# Altium PCB Неудачная разводка ddr.PcbDoc (part 3 of 3) (continued)
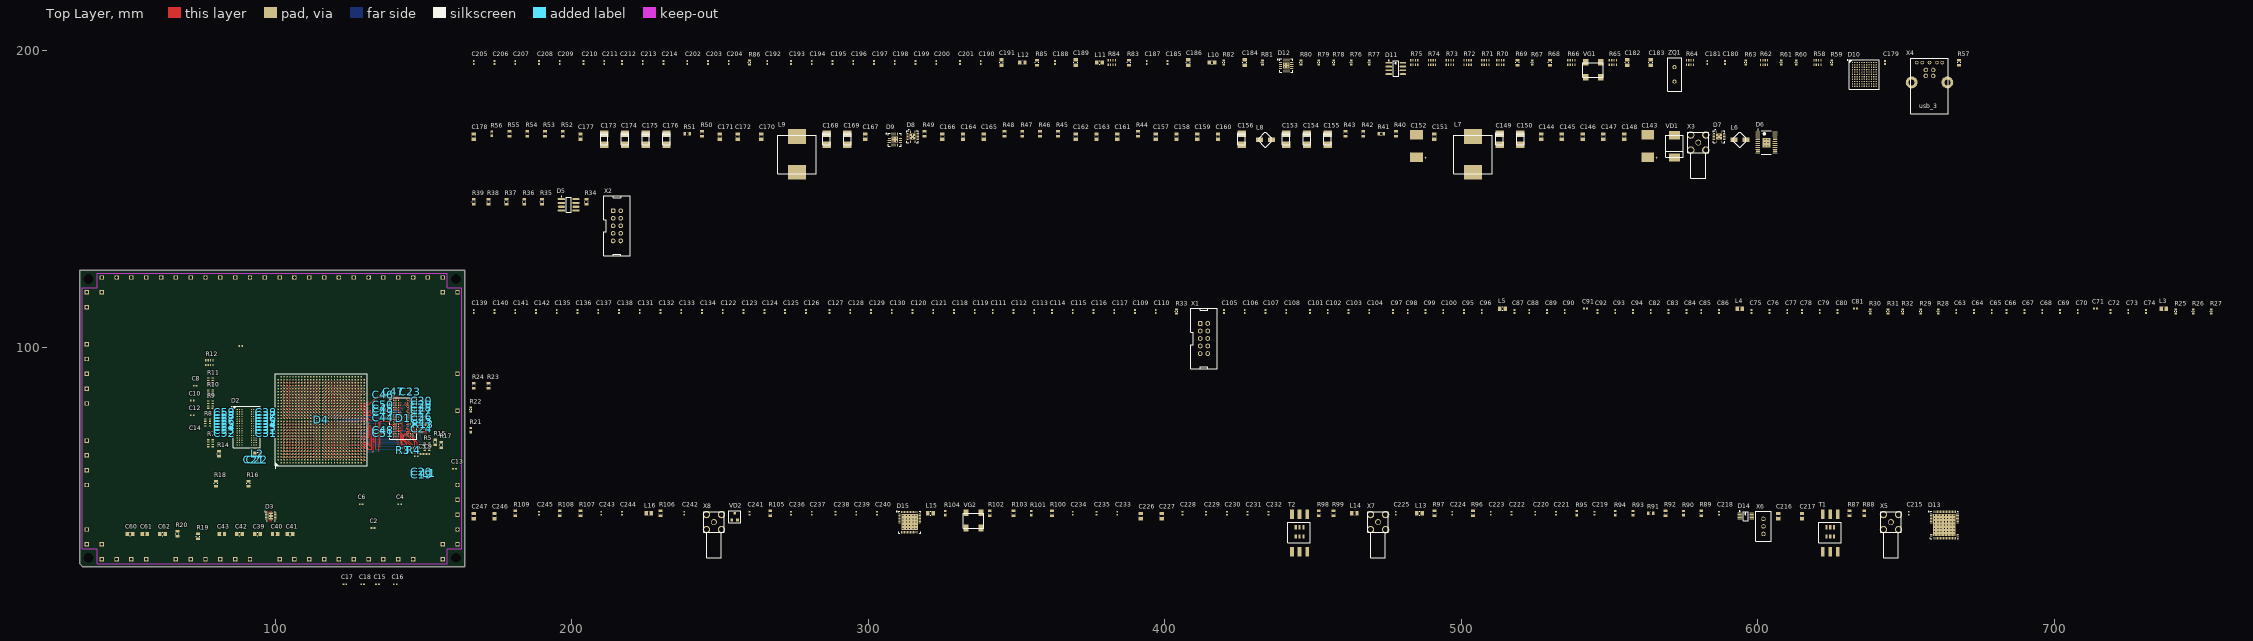
[diagram p0: Top Layer view]
## Nets (pads, with @x,y where several pads share a name; then routed paths per layer and width w, separated by ;. In a path a pad name is that pad's centre, name@x,y a point inside that pad or via, vN(x,y) a via of type N, cw(c..) or ccw(c..) an arc to the next point about the centre after c; other vN are vias at no path point) (continued)
  Top Layer w0.125: v1(108.5,77.5) D4.J17@109,77
DDR1_DQS0_P: D2.F3 D4.K17 | length 0.7
  Top Layer w0.125: v1(109.5,77.5) D4.K17@110,77
DDR1_DQS1_N: D2.B7 D4.L16 | length 0.7
  Top Layer w0.125: v1(110.5,76.5) D4.L16@111,76
DDR1_DQS1_P: D2.C7 D4.K16 | length 0.7
  Top Layer w0.125: v1(109.5,76.5) D4.K16@110,76
DDR1_ODT: D2.K1 D4.B13
DDR1_RAS: D2.J3 D4.B8
DDR1_RESET_N: D2.T2 D4.B22 R18.2
DDR1_WE: D2.L3 D4.C7 | length 0.7
  Top Layer w0.125: v1(102.5,66.5) D4.C7@103,67
FPGA_CONF_DONE: D4.L8 D10.D3 R31.2 | length 0.7
  Top Layer w0.125: v1(110.5,67.5) D4.L8@111,68
FPGA_DATA0: D4.AG5 D10.D5 | length 0.7
  Top Layer w0.125: D4.AG5@127,65 v1(127.5,64.5)
FPGA_DCLK: D4.T7 D10.D4 R32.2 | length 0.7
  Top Layer w0.125: D4.T7@116,67 v1(116.5,66.5)
FPGA_NCONFIG: D4.C5 D10.C1 R30.2 | length 0.7
  Top Layer w0.125: v1(102.5,64.5) D4.C5@103,65
FPGA_NSTATUS: D4.K7 D10.D2 | length 0.7
  Top Layer w0.125: v1(109.5,66.5) D4.K7@110,67
NetC1_2: C1.2 R1.1 R1.2
NetC2_2: C2.2 R1.3 R2.1
NetC21_2: C21.2 C22.2 D2.H1
NetC43_2: C43.2 D3.6
NetC60_2: C60.2 D3.1 R19.1 R20.2
NetC70_2: C70.2 C71.2 C72.2 C73.2 C74.2 D4.AB6 D4.AB23 D4.J8 D4.J24 D4.K6 D4.P6 D4.V6 D4.Y8 L3.1 | length 5.7
  Top Layer w0.125: v1(108.5,67.5) D4.J8@109,68 ; v1(108.5,84.5) D4.J24@109,84 ; v1(109.5,65.5) D4.K6@110,66 ; v1(113.5,65.5) D4.P6@114,66 ; D4.V6@118,66 v1(118.5,65.5) ; D4.Y8@120,68 v1(120.5,67.5) ; D4.AB6@122,66 v1(122.5,65.5) ; D4.AB23@122,83 v1(122.5,83.5)
NetC151_1: C151.1 D7.13
NetC151_2: C151.2 D7.11 D7.12 L7.1
NetC157_2: C157.2 R43.1
NetC158_2: C158.2 D6.22 R43.2
NetC161_2: C161.2 D7.9
NetC164_2: C164.2 R48.1
NetC165_2: C165.2 D6.3 R48.2
NetC166_2: C166.2 R46.2
NetC170_1: C170.1 D8.13
NetC170_2: C170.2 D8.11 D8.12 L9.1
NetC177_2: C177.2 D8.9
NetC178_2: C178.2 R55.2
NetC179_1: C179.1 D10.E11 R57.1
NetC180_2: C180.2 D10.A5
NetC181_2: C181.2 D10.A6
NetC182_2: C182.2 D10.C7 ZQ1.1
NetC183_2: C183.2 D10.C6 ZQ1.2
NetC187_2: C187.2 D10.C5 R82.1
NetC215_1: C215.1 X5.1
NetC215_2: C215.2 R89.2 T1.4
NetC216_1: C216.1 R91.1 R92.2
NetC216_2: C216.2 R87.1 R88.2
NetC217_1: C217.1 D13.38 R92.1
NetC217_2: C217.2 D13.37 R88.1
NetC219_1: C219.1 C223.1 D14.10 R94.2
NetC219_2: C219.2 D14.3 D14.4 R93.1 R94.1
NetC222_2: C222.2 D13.49
NetC224_2: C224.2 D13.50
NetC225_1: C225.1 X7.1
NetC225_2: C225.2 R100.2 T2.4
NetC226_1: C226.1 R102.1 R103.2
NetC226_2: C226.2 R98.1 R99.2
NetC227_1: C227.1 D13.43 R103.1
NetC227_2: C227.2 D13.44 R99.1
NetC236_2: C236.2 D15.12
NetC237_2: C237.2 C238.2 C239.2 C240.2 C241.2 D15.10 D15.21 D15.24 D15.25 D15.30 D15.31 D15.36 D15.37 D15.40 D15.43 D15.45 L15.1 L16.2
NetC242_1: C242.1 X8.1
NetC243_2: C243.2 C244.2 D15.3 L16.1
NetC245_2: C245.2 D15.9
NetC246_2: C246.2 R109.2
NetC247_2: C247.2 D15.4 D15.8 R109.1
NetD1_L8: D1.L8 R13.1 | length 3.7
  Top Layer w0.125: D1.L8@145.6,74 145.988,73.612 146.829,73.612 147.217,74 R13.1@149,74
NetD2_L8: D2.L8 R14.1
NetD4_AD23: D4.AD23 R22.1 | length 0.7
  Top Layer w0.125: D4.AD23@124,83 v1(124.5,83.5)
NetD4_AK13: D4.AK13 R24.1 | length 0.9
  Top Layer w0.125: D4.AK13@130,73 130,73.075 130.5,73.575 v1(130.5,73.5)
NetD4_B12: D4.B12 R23.1
NetD4_C1: D4.C1 R39.1
NetD4_M7: D4.M7 R29.1 | length 0.7
  Top Layer w0.125: v1(111.5,66.5) D4.M7@112,67
NetD4_P9: D4.P9 R28.1 | length 0.7
  Top Layer w0.125: v1(113.5,68.5) D4.P9@114,69
NetD5_6: D5.6 R36.1 R37.1 R38.2
NetD5_7: D5.7 R34.1 R35.1 R36.2
NetD6_2: D6.2 R47.1 R49.2
NetD6_8: D6.8 D6.9 L8.1
NetD6_16: D6.16 D6.17 L6.1
NetD6_23: D6.23 R40.1 R42.1
NetD7_1: D7.1 R45.1
NetD7_7: D7.7 R41.1 R44.2
NetD7_8: D7.8 R46.1
NetD8_1: D8.1 R53.1
NetD8_7: D8.7 R50.1 R52.2
NetD8_8: D8.8 R55.1
NetD9_5: D9.5 R56.1
NetD9_9: D9.9 R51.1 R54.2
NetD10_B2: D10.B2 R59.2
NetD10_B3: D10.B3 R69.1
NetD10_B4: D10.B4 R61.2
NetD10_C8: D10.C8 R68.1
NetD10_C9: D10.C9 R60.1
NetD10_E6: D10.E6 R63.2
NetD10_G4: D10.G4 R78.1
NetD10_H4: D10.H4 R79.1
NetD10_L4: D10.L4 R80.1
NetD10_L8: D10.L8 R81.1
NetD12_5: D12.5 R86.1
NetD12_9: D12.9 R83.1 R85.2
NetD13_40: D13.40 R90.2 R95.1
NetD13_42: D13.42 R97.1
NetD14_5: D14.5 X6.1
NetD14_6: D14.6 X6.3
NetD15_44: D15.44 R107.1
NetD15_46: D15.46 R108.1
NetR57_2: R57.2 X4.1
NetR67_2: R67.2 VG1.1
NetR87_2: R87.2 T1.3
NetR91_2: R91.2 T1.1
NetR98_2: R98.2 T2.3
NetR102_2: R102.2 T2.1
NetR104_2: R104.2 VG2.1
NetVD1_2: VD1.2 X3.1
PCLK: D10.J6 R72.8
PG1P1: D7.14 D8.10
SS_RX_N: D10.A3 X4.8
SS_RX_P: D10.A4 X4.9
SS_TX_N: C181.1 X4.5
SS_TX_P: C180.1 X4.6
TCK: D4.AC7 R26.2 R33.2 X1.1 | length 0.7
  Top Layer w0.125: D4.AC7@123,67 v1(123.5,66.5)
TDI: D4.U7 R27.1 X1.9 | length 0.7
  Top Layer w0.125: D4.U7@117,67 v1(117.5,66.5)
TDO: D4.W9 X1.3 | length 0.7
  Top Layer w0.125: D4.W9@119,69 v1(119.5,68.5)
TMS: D4.V7 R25.2 X1.5 | length 0.7
  Top Layer w0.125: D4.V7@118,67 v1(118.5,66.5)
TTL_RX: D5.1
TTL_TX: D5.4
TTL_TX_EN: D5.2 D5.3
U3RXVDDQ: C185.2 C186.2 D10.A2 L10.2
U3TXVDDQ: C188.2 C189.2 D10.B5 L11.2
USB_N: D10.A10 X4.2
USB_P: D10.A9 X4.3
V0P75D: C39.2 C40.2 C41.2 D3.3 D3.5 L1.1 L2.1
V1P1D: C63.2 C64.2 C65.2 C66.2 C67.2 C68.2 C69.2 C75.2 C76.2 C77.2 C78.2 C79.2 C80.2 C81.2 C87.2 C88.2 C89.2 C90.2 C91.2 C92.2 C93.2 C94.2 C153.1 C154.1 C155.1 C156.1 D4.AA5 D4.AC5 D4.AD6 D4.J5 D4.L5 D4.M6 D4.M13 D4.M15 D4.M17 D4.M19 D4.N5 D4.N14 D4.N16 D4.N18 D4.P13 D4.P15 D4.P17 D4.P19 D4.R5 D4.R14 D4.R16 D4.R18 D4.T6 D4.T13 D4.T15 D4.T17 D4.T19 D4.U5 D4.U14 D4.U16 D4.U18 D4.U20 D4.V13 D4.V15 D4.V17 D4.V19 D4.W5 D4.W14 D4.W16 D4.W18 D4.W20 D4.Y6 L7.2 R41.2 | length 29.7
  Top Layer w0.125: v1(108.5,64.5) D4.J5@109,65 ; v1(110.5,64.5) D4.L5@111,65 ; v1(111.5,65.5) D4.M6@112,66 ; v1(111.5,72.5) D4.M13@112,73 ; v1(111.5,74.5) D4.M15@112,75 ; v1(111.5,77.5) D4.M17@112,77 ; v1(111.5,79.5) D4.M19@112,79 ; v1(112.5,64.5) D4.N5@113,65 ; v1(112.5,73.5) D4.N14@113,74 ; v1(112.5,76.5) D4.N16@113,76 ; v1(112.5,78.5) D4.N18@113,78 ; v1(113.5,72.5) D4.P13@114,73 ; v1(113.5,74.5) D4.P15@114,75 ; v1(113.5,77.5) D4.P17@114,77 ; v1(113.5,79.5) D4.P19@114,79 ; v1(114.5,64.5) D4.R5@115,65 ; v1(114.5,73.5) D4.R14@115,74 ; v1(114.5,76.5) D4.R16@115,76 ; v1(114.5,78.5) D4.R18@115,78 ; D4.T6@116,66 v1(116.5,65.5) ; D4.T13@116,73 v1(116.5,72.5) ; D4.T15@116,75 v1(116.5,74.5) ; D4.T17@116,77 v1(116.5,77.5) ; D4.T19@116,79 v1(116.5,79.5) ; D4.U5@117,65 v1(117.5,64.5) ; D4.U14@117,74 v1(117.5,73.5) ; D4.U16@117,76 v1(117.5,76.5) ; D4.U18@117,78 v1(117.5,78.5) ; D4.U20@117,80 v1(117.5,80.5) ; D4.V13@118,73 v1(118.5,72.5) ; D4.V15@118,75 v1(118.5,74.5) ; D4.V17@118,77 v1(118.5,77.5) ; D4.V19@118,79 v1(118.5,79.5) ; D4.W5@119,65 v1(119.5,64.5) ; D4.W14@119,74 v1(119.5,73.5) ; D4.W16@119,76 v1(119.5,76.5) ; D4.W18@119,78 v1(119.5,78.5) ; D4.W20@119,80 v1(119.5,80.5) ; D4.Y6@120,66 v1(120.5,65.5) ; D4.AA5@121,65 v1(121.5,64.5) ; D4.AC5@123,65 v1(123.5,64.5) ; D4.AD6@124,66 v1(124.5,65.5)
V1P2D: C184.2 C192.2 C193.2 C194.2 C195.2 C196.2 C197.2 C198.2 C199.2 C200.2 C201.2 D10.B10 D10.C3 D10.E9 D10.F11 D10.H1 D10.J11 D10.L5 D10.L7 D12.10 D12.11 D12.12 D12.13 D12.14 L10.1 L11.1 L12.1 R83.2
V1P5D: C23.2 C24.2 C25.2 C26.2 C27.2 C28.2 C29.2 C30.2 C31.2 C32.2 C33.2 C34.2 C35.2 C36.2 C37.2 C38.2 C42.2 C44.2 C45.2 C46.2 C47.2 C48.2 C49.2 C50.2 C51.2 C52.2 C53.2 C54.2 C55.2 C56.2 C57.2 C58.2 C59.2 C61.2 C62.2 C111.2 C112.2 C113.2 C114.2 C115.2 C116.2 C117.2 C124.2 C125.2 C126.2 C127.2 C128.2 C129.2 C130.2 C135.2 C136.2 C137.2 C138.2 C171.2 C172.2 D1.A1 D1.A8 D1.B2 D1.C1 D1.C9 D1.D2 D1.D9 D1.E9 D1.F1 D1.G7 D1.H2 D1.H9 D1.K2 D1.K8 D1.N1 D1.N9 D1.R1 D1.R9 D2.A1 D2.A8 D2.B2 D2.C1 D2.C9 D2.D2 D2.D9 D2.E9 D2.F1 D2.G7 D2.H2 D2.H9 D2.K2 D2.K8 D2.N1 D2.N9 D2.R1 D2.R9 D3.2 D3.7 D3.10 D4.A7 D4.A22 D4.AA12 D4.AB15 D4.AC18 D4.AD21 D4.AE14 D4.AF17 D4.AG10 D4.AG20 D4.AH13 D4.AH23 D4.AJ16 D4.AJ26 D4.AK4 D4.AK9 D4.AK19 D4.B5 D4.B15 D4.B25 D4.C8 D4.C18 D4.D11 D4.D21 D4.E14 D4.E24 D4.F7 D4.F17 D4.G10 D4.G20 D4.H10 D4.H13 D4.H23 D4.J16 D4.K19 D4.L12 D4.Y19 D9.10 D9.11 D9.12 D9.13 D9.14 R17.1 R18.1 R19.2 R51.2 | length 44.5
  Top Layer w0.125: v1(102.5,67.5) D4.C8@103,68 ; v1(102.5,78.5) D4.C18@103,78 ; v1(103.5,70.5) D4.D11@104,71 ; v1(103.5,81.5) D4.D21@104,81 ; v1(104.5,73.5) D4.E14@105,74 ; v1(104.5,84.5) D4.E24@105,84 ; v1(105.5,66.5) D4.F7@106,67 ; v1(105.5,77.5) D4.F17@106,77 ; v1(106.5,69.5) D4.G10@107,70 ; v1(106.5,80.5) D4.G20@107,80 ; v1(107.5,69.5) D4.H10@108,70 ; v1(107.5,72.5) D4.H13@108,73 ; v1(107.5,83.5) D4.H23@108,83 ; v1(108.5,76.5) D4.J16@109,76 ; v1(109.5,79.5) D4.K19@110,79 ; v1(110.5,71.5) D4.L12@111,72 ; D4.Y19@120,79 v1(120.5,79.5) ; D4.AA12@121,72 v1(121.5,71.5) ; D4.AB15@122,75 v1(122.5,74.5) ; D4.AC18@123,78 v1(123.5,78.5) ; D4.AD21@124,81 v1(124.5,81.5) ; D4.AE14@125,74 v1(125.5,73.5) ; D4.AF17@126,77 v1(126.5,77.5) ; D4.AG10@127,70 v1(127.5,69.5) ; D4.AG20@127,80 v1(127.5,80.5) ; D4.AH13@128,73 v1(128.5,72.5) ; D4.AH23@128,83 v1(128.5,83.5) ; D4.AK4@130,64 v1(130.5,63.5) ; D4.AK9@130,69 v1(130.5,68.5) ; v1(139.25,70.75) 139.95,70.75 D1.R1@140,70.8
  Top Layer w0.2: v1(139.1,80.4) D1.C1@140,80.4
  Top Layer w0.3: D4.AJ16@129,76 v1(129.5,76.5) ; D4.AJ26@129,86 v1(129.5,86.5) ; D4.AK19@130,79 v1(131,79) ; C51.2@137,71 137.6,71 v1(137.8,70.8) ; C48.2@137,72 v1(138.1,72) ; C49.2@137,78 137.3,78 137.5,78.2 137.6,78.1 v1(137.6,78) ; C45.2@137,79.3 v1(137.5,79.3) ; C50.2@137,80.5 v1(137.5,80.5) ; v1(138.2,78.2) 138.4,78 D1.F1@140,78 ; v1@139.25,72.45 v1(139.3,72.5) 139.3,72.45 139.25,72.4 D1.N1@140,72.4 ; D1.A1@140,82 v1(140,82.8) ; v1(140,84) C47.2@140,84.5 ; v1(140.4,76.8) D1.H2@140.8,76.4 ; v1(140.4,80) D1.D2@140.8,79.6 ; v1(140.4,81.6) D1.B2@140.8,81.2 ; D1.K2@140.8,74.8 141.2,74.4 v1(141.222,74.4) ; D1.G7@144.8,77.2 145.172,76.828 v1(145.15,76.828) ; v1(145.5,84) C23.2@145.5,84.5 ; D1.K8@145.6,74.8 146,75.2 146,75.211 145.986,75.197 v1(145.986,75.164) ; D1.A8@145.6,82 v1(145.6,82.8) ; D1.R9@146.4,70.8 146.6,70.6 v1(147,70.6) ; D1.N9@146.4,72.4 v1(147,72.4) ; D1.H9@146.4,76.4 v1(147,76.4) ; D1.E9@146.4,78.8 v1(147,78.8) ; D1.D9@146.4,79.6 v1(147,79.6) ; D1.C9@146.4,80.4 v1(147,80.4) ; v1(148.5,72.5) C24.2@149,72.5 ; v1(148.5,75.5) C25.2@149,75.5 ; v1(148.5,76.5) C26.2@149,76.5 ; v1(148.5,78.5) C27.2@149,78.5 ; v1(148.5,79.5) C28.2@149,79.5 ; v1(148.5,80.5) C29.2@149,80.5 ; v1(148.5,82) C30.2@149,82
V1P8A: C230.2 C231.2 C232.2 D13.36 D13.45 D13.46 L13.1
V1P8D: C147.2 C148.2 C202.2 C203.2 C204.2 C205.2 C206.2 C207.2 C208.2 C234.2 C235.2 D9.1 D9.2 D9.3 D9.4 D9.15 D9.16 D10.B1 D10.E3 D10.F1 D10.H11 D10.L9 D12.1 D12.2 D12.3 D12.4 D12.15 D12.16 D13.1 D13.21 L5.2 L6.2 L13.2 L14.2 R40.2 R56.2 R78.2 R79.2 R82.2 R86.2
V1P8DVDD: C228.2 C229.2 D13.24 D13.57 L14.1
V2P5D: C97.2 C98.2 C99.2 C100.2 C101.2 C102.2 C103.2 C104.2 C105.2 C106.2 C107.2 C108.2 C122.2 C123.2 C131.2 C132.2 C133.2 C134.2 C139.2 C140.2 C141.2 C142.2 C162.2 C163.2 D4.AA22 D4.AB11 D4.AB25 D4.AC12 D4.AC17 D4.AC20 D4.AC28 D4.AD10 D4.AD15 D4.AE11 D4.AE21 D4.AE24 D4.AF27 D4.AG30 D4.C28 D4.D24 D4.F11 D4.F21 D4.F23 D4.F27 D4.G13 D4.G16 D4.G19 D4.G30 D4.J26 D4.K23 D4.K29 D4.L22 D4.M24 D4.M25 D4.N28 D4.P21 D4.P24 D4.R24 D4.T26 D4.T27 D4.U24 D4.U30 D4.W23 D4.W25 D4.W26 D4.Y29 L3.2 L4.2 L8.2 R47.2 | length 26.2
  Top Layer w0.125: v1(102.5,88.5) D4.C28@103,88 ; v1(103.5,84.5) D4.D24@104,84 ; v1(105.5,70.5) D4.F11@106,71 ; v1(105.5,81.5) D4.F21@106,81 ; v1(105.5,83.5) D4.F23@106,83 ; v1(105.5,87.5) D4.F27@106,87 ; v1(106.5,72.5) D4.G13@107,73 ; v1(106.5,76.5) D4.G16@107,76 ; v1(106.5,79.5) D4.G19@107,79 ; v1(108.5,86.5) D4.J26@109,86 ; v1(109.5,83.5) D4.K23@110,83 ; v1(110.5,82.5) D4.L22@111,82 ; v1(111.5,84.5) D4.M24@112,84 ; v1(111.5,85.5) D4.M25@112,85 ; v1(112.5,88.5) D4.N28@113,88 ; v1(113.5,81.5) D4.P21@114,81 ; v1(113.5,84.5) D4.P24@114,84 ; v1(114.5,84.5) D4.R24@115,84 ; D4.T26@116,86 v1(116.5,86.5) ; D4.T27@116,87 v1(116.5,87.5) ; D4.U24@117,84 v1(117.5,84.5) ; D4.W23@119,83 v1(119.5,83.5) ; D4.W25@119,85 v1(119.5,85.5) ; D4.W26@119,86 v1(119.5,86.5) ; D4.AA22@121,82 v1(121.5,82.5) ; D4.AB11@122,71 v1(122.5,70.5) ; D4.AB25@122,85 v1(122.5,85.5) ; D4.AC12@123,72 v1(123.5,71.5) ; D4.AC17@123,77 v1(123.5,77.5) ; D4.AC20@123,80 v1(123.5,80.5) ; D4.AC28@123,88 v1(123.5,88.5) ; D4.AD10@124,70 v1(124.5,69.5) ; D4.AD15@124,75 v1(124.5,74.5) ; D4.AE11@125,71 v1(125.5,70.5) ; D4.AE21@125,81 v1(125.5,81.5) ; D4.AE24@125,84 v1(125.5,84.5) ; D4.AF27@126,87 v1(126.5,87.5)
V3P3D: C145.2 C146.2 C159.2 C160.2 C173.1 C174.1 C175.1 C176.1 C209.2 C210.2 C211.2 C212.2 C213.2 C214.2 C223.2 D5.8 D6.4 D6.6 D6.7 D6.10 D6.11 D6.12 D6.18 D6.19 D6.20 D6.21 D10.B6 D10.C11 D10.E10 D11.8 D14.2 L9.2 L15.2 R34.2 R50.2 R63.1 R67.1 R76.2 R77.2 R93.2 R104.1 R105.2 VD2.2 VG1.4 VG2.4 X2.5 X2.7
VCC_AUX: C82.2 C83.2 C84.2 C85.2 C86.2 D4.AC10 D4.AC16 D4.AD22 D4.G11 D4.H16 D4.H22 L4.1 | length 4.2
  Top Layer w0.125: v1(106.5,70.5) D4.G11@107,71 ; v1(107.5,76.5) D4.H16@108,76 ; v1(107.5,82.5) D4.H22@108,82 ; D4.AC10@123,70 v1(123.5,69.5) ; D4.AC16@123,76 v1(123.5,76.5) ; D4.AD22@124,82 v1(124.5,82.5)
VCCPGM: C95.2 C96.2 C109.2 C110.2 D4.AB24 D4.AC8 D4.AC11 D4.AD11 D4.F10 D4.U10 D4.Y9 L5.1 R25.1 R26.1 R27.2 R28.2 R29.2 R30.1 R31.1 R32.1 X1.4 | length 4.9
  Top Layer w0.125: v1(105.5,69.5) D4.F10@106,70 ; D4.U10@117,70 v1(117.5,69.5) ; D4.Y9@120,69 v1(120.5,68.5) ; D4.AB24@122,84 v1(122.5,84.5) ; D4.AC8@123,68 v1(123.5,67.5) ; D4.AC11@123,71 v1(123.5,70.5) ; D4.AD11@124,71 v1(124.5,70.5)
VREF: C220.1 C221.1 D13.39 R95.2
VREFDDR0: C3.1 C5.1 C7.1 C9.1 C11.1 C13.1 C15.2 C16.2 C19.2 C20.2 C118.2 C119.2 D1.H1 D1.M8 D4.AH16 D4.AJ13 L1.2 R1.4 R2.2 R3.1 R3.2 R3.4 R4.2 R5.1 R5.2 R5.4 R6.2 R7.1 R7.2 R7.4 R8.2 R9.1 R9.2 R9.4 R10.2 R11.1 R11.2 R11.4 R12.2 | length 2
  Top Layer w0.125: D4.AH16@128,76 v1(128.5,76.5) ; D4.AJ13@129,73 v1(129.5,73.5) ; D1.M8@145.6,73.2 145.997,72.803 v1(145.997,72.825)
VREFDDR1: C4.1 C6.1 C8.1 C10.1 C12.1 C14.1 C17.2 C18.2 C120.2 C121.2 D2.M8 D4.B9 D4.B16 L2.2 R2.3 R2.4 R3.3 R4.1 R4.3 R4.4 R5.3 R6.1 R6.3 R6.4 R7.3 R8.1 R8.3 R8.4 R9.3 R10.1 R10.3 R10.4 R11.3 R12.1 R12.3 R12.4
pads on no net: C120.1 C121.1 D1.J1 D1.J9 D1.L1 D1.L9 D1.M7 D2.J1 D2.J9 D2.L1 D2.L9 D2.M7 D3.9 D4.A2 D4.A3 D4.A4 D4.A5 D4.A21 D4.A25 D4.A28 D4.A29 D4.AA7 D4.AA8 D4.AA9 D4.AA10 D4.AA11 D4.AA13 D4.AA15 D4.AA20 D4.AA23 D4.AA24 D4.AA25 D4.AA30 D4.AB3 D4.AB4 D4.AB7 D4.AB8 D4.AB9 D4.AB12 D4.AB13 D4.AB14 D4.AB16 D4.AB17 D4.AB18 D4.AB19 D4.AB27 D4.AB28 D4.AB29 D4.AC9 D4.AC14 D4.AC15 D4.AC19 D4.AC21 D4.AC24 D4.AC26 D4.AC27 D4.AC30 D4.AD3 D4.AD4 D4.AD8 D4.AD9 D4.AD12 D4.AD13 D4.AD14 D4.AD18 D4.AD19 D4.AD20 D4.AD27 D4.AE5 D4.AE7 D4.AE10 D4.AE12 D4.AE13 D4.AE18 D4.AE20 D4.AE22 D4.AE23 D4.AE25 D4.AE26 D4.AE27 D4.AF3 D4.AF4 D4.AF6 D4.AF7 D4.AF8 D4.AF10 D4.AF18 D4.AF19 D4.AF20 D4.AF21 D4.AF24 D4.AF25 D4.AF26 D4.AF30 D4.AG6 D4.AG7 D4.AG8 D4.AG12 D4.AG18 D4.AG19 D4.AG21 D4.AG22 D4.AG23 D4.AG24 D4.AG27 D4.AG29 D4.AH4 D4.AH5 D4.AH6 D4.AH7 D4.AH21 D4.AH22 D4.AH24 D4.AH26 D4.AH27 D4.AH29 D4.AJ1 D4.AJ2 D4.AJ3 D4.AJ4 D4.AJ5 D4.AJ17 D4.AJ20 D4.AJ23 D4.AJ27 D4.AJ30 D4.AK3 D4.AK15 D4.AK22 D4.AK23 D4.AK25 D4.AK26 D4.AK27 D4.B3 D4.B4 D4.B21 D4.B23 D4.B24 D4.B26 D4.B28 D4.B29 D4.C12 D4.C19 D4.C20 D4.C21 D4.C24 D4.C25 D4.C27 D4.C29 D4.D3 D4.D4 D4.D6 D4.D7 D4.D8 D4.D14 D4.D15 D4.D18 D4.D19 D4.D20 D4.D22 D4.D23 D4.D25 D4.E1 D4.E2 D4.E6 D4.E7 D4.E8 D4.E13 D4.E18 D4.E21 D4.E22 D4.E25 D4.E26 D4.E28 D4.E30 D4.F3 D4.F4 D4.F6 D4.F8 D4.F13 D4.F14 D4.F19 D4.F24 D4.F25 D4.F26 D4.F28 D4.F30 D4.G1 D4.G2 D4.G6 D4.G7 D4.G8 D4.G9 D4.G12 D4.G14 D4.G17 D4.G22 D4.G23 D4.G26 D4.G27 D4.G28 D4.H3 D4.H4 D4.H7 D4.H9 D4.H12 D4.H14 D4.H15 D4.H17 D4.H19 D4.H24 D4.H25 D4.H26 D4.H27 D4.H29 D4.H30 D4.J1 D4.J2 D4.J7 D4.J9 D4.J10 D4.J12 D4.J13 D4.J14 D4.J18 D4.J19 D4.J25 D4.J27 D4.J28 D4.J29 D4.J30 D4.K3 D4.K4 D4.K8 D4.K10 D4.K11 D4.K12 D4.K13 D4.K15 D4.K18 D4.K20 D4.K21 D4.K22 D4.K25 D4.K26 D4.K27 D4.K28 D4.K30 D4.L7 D4.L9 D4.L10 D4.L11 D4.L13 D4.L14 D4.L15 D4.L18 D4.L19 D4.L20 D4.L21 D4.L25 D4.L26 D4.L28 D4.L29 D4.L30 D4.M3 D4.M4 D4.M11 D4.M12 D4.M21 D4.M22 D4.M23 D4.M27 D4.M28 D4.M29 D4.N9 D4.N10 D4.N11 D4.N12 D4.N21 D4.N22 D4.N24 D4.N25 D4.N26 D4.N27 D4.N29 D4.N30 D4.P3 D4.P4 D4.P10 D4.P12 D4.P22 D4.P23 D4.P25 D4.P28 D4.P29 D4.P30 D4.R10 D4.R11 D4.R12 D4.R21 D4.R22 D4.R23 D4.R25 D4.R26 D4.R27 D4.R28 D4.R30 D4.T3 D4.T4 D4.T9 D4.T10 D4.T11 D4.T23 D4.T24 D4.T25 D4.T28 D4.T29 D4.T30 D4.U8 D4.U9 D4.U11 D4.U12 D4.U23 D4.U26 D4.U29 D4.V3 D4.V4 D4.V9 D4.V10 D4.V11 D4.V12 D4.V21 D4.V22 D4.V26 D4.V27 D4.V29 D4.V30 D4.W10 D4.W12 D4.W22 D4.W24 D4.W27 D4.W29 D4.W30 D4.Y3 D4.Y4 D4.Y10 D4.Y11 D4.Y15 D4.Y20 D4.Y22 D4.Y27 D4.Y30 D6.13 D6.15 D7.10 D8.14 D9.7 D9.8 D10.A11 D10.B11 D10.C2 D10.C4 D10.C10 D10.D1 D10.D6 D10.D11 D10.E7 D10.E8 D10.F2 D10.F6 D10.H3 D12.7 D12.8 D13.33 D13.34 D13.35 D13.53 D13.54 D13.55 D13.56 D13.58 D13.59 D13.60 D13.61 D15.2 D15.7 D15.11 D15.17 D15.18 D15.19 D15.20 D15.22 D15.23 D15.26 D15.27 D15.28 D15.29 D15.32 D15.33 D15.38 D15.39 D15.41 D15.42 R1.5 R2.5 R2.6 R2.7 R3.7 R3.8 R4.5 R4.6 R5.7 R6.6 R7.7 R7.8 R8.5 R8.6 R11.5 R11.6 R11.7 R11.8 R12.5 R12.6 R12.7 R12.8 R21.2 R58.1 R58.2 R58.3 R58.4 R62.1 R62.2 R62.3 R62.4 R62.5 R64.1 R64.2 R64.3 R64.4 R64.8 R65.1 R65.2 R65.3 R65.4 R65.5 R65.6 R66.1 R66.2 R66.3 R66.4 R66.5 R70.1 R70.2 R70.3 R70.4 R70.5 R71.1 R71.2 R71.3 R71.4 R71.5 R71.6 R72.1 R72.2 R72.3 R72.4 R72.7 R73.1 R73.2 R73.3 R73.4 R74.1 R74.2 R74.3 R74.4 R74.6 R75.1 R75.2 R75.3 R75.4 R75.8 R84.1 R84.2 R84.3 R84.4 R84.5 R84.6 R84.7 R84.8 R101.1 T1.5 T1.11 T1.12 T1.13 T1.14 T1.15 T1.16 T2.5 T2.11 T2.12 T2.13 T2.14 T2.15 T2.16 X1.6 X1.7 X1.8
copper on no net: | length 194.5
  Top Layer w0.125: v1(102.5,71.5) 103,72 ; v1(102.5,79.5) 103,79 ; v1(102.5,80.5) 103,80 ; v1(102.5,81.5) 103,81 ; v1(102.5,84.5) 103,84 ; v1(102.5,85.5) 103,85 ; v1(102.5,87.5) 103,87 ; v1(103.5,62.5) 104,63 ; v1(103.5,63.5) 104,64 ; v1(103.5,65.5) 104,66 ; v1(103.5,66.5) 104,67 ; v1(103.5,67.5) 104,68 ; v1(103.5,73.5) 104,74 ; v1(103.5,74.5) 104,75 ; v1(103.5,78.5) 104,78 ; v1(103.5,79.5) 104,79 ; v1(103.5,80.5) 104,80 ; v1(103.5,82.5) 104,82 ; v1(103.5,83.5) 104,83 ; v1(103.5,85.5) 104,85 ; v1(104.5,65.5) 105,66 ; v1(104.5,66.5) 105,67 ; v1(104.5,67.5) 105,68 ; v1(104.5,72.5) 105,73 ; v1(104.5,78.5) 105,78 ; v1(104.5,81.5) 105,81 ; v1(104.5,82.5) 105,82 ; v1(104.5,85.5) 105,85 ; v1(104.5,86.5) 105,86 ; v1(104.5,88.5) 105,88 ; v1(105.5,62.5) 106,63 ; v1(105.5,63.5) 106,64 ; v1(105.5,65.5) 106,66 ; v1(105.5,67.5) 106,68 ; v1(105.5,72.5) 106,73 ; v1(105.5,73.5) 106,74 ; v1(105.5,79.5) 106,79 ; v1(105.5,84.5) 106,84 ; v1(105.5,85.5) 106,85 ; v1(105.5,86.5) 106,86 ; v1(105.5,88.5) 106,88 ; v1(106.5,65.5) 107,66 ; v1(106.5,66.5) 107,67 ; v1(106.5,67.5) 107,68 ; v1(106.5,68.5) 107,69 ; v1(106.5,71.5) 107,72 ; v1(106.5,73.5) 107,74 ; v1(106.5,77.5) 107,77 ; v1(106.5,82.5) 107,82 ; v1(106.5,83.5) 107,83 ; v1(106.5,86.5) 107,86 ; v1(106.5,87.5) 107,87 ; v1(106.5,88.5) 107,88 ; v1(107.5,62.5) 108,63 ; v1(107.5,63.5) 108,64 ; v1(107.5,66.5) 108,67 ; v1(107.5,68.5) 108,69 ; v1(107.5,71.5) 108,72 ; v1(107.5,73.5) 108,74 ; v1(107.5,74.5) 108,75 ; v1(107.5,77.5) 108,77 ; v1(107.5,79.5) 108,79 ; v1(107.5,84.5) 108,84 ; v1(107.5,85.5) 108,85 ; v1(107.5,86.5) 108,86 ; v1(107.5,87.5) 108,87 ; v1(108.5,66.5) 109,67 ; v1(108.5,68.5) 109,69 ; v1(108.5,69.5) 109,70 ; v1(108.5,71.5) 109,72 ; v1(108.5,72.5) 109,73 ; v1(108.5,73.5) 109,74 ; v1(108.5,78.5) 109,78 ; v1(108.5,79.5) 109,79 ; v1(108.5,85.5) 109,85 ; v1(108.5,87.5) 109,87 ; v1(108.5,88.5) 109,88 ; v1(109.5,62.5) 110,63 ; v1(109.5,63.5) 110,64 ; v1(109.5,67.5) 110,68 ; v1(109.5,69.5) 110,70 ; v1(109.5,70.5) 110,71 ; v1(109.5,71.5) 110,72 ; v1(109.5,72.5) 110,73 ; v1(109.5,74.5) 110,75 ; v1(109.5,78.5) 110,78 ; v1(109.5,80.5) 110,80 ; v1(109.5,81.5) 110,81 ; v1(109.5,82.5) 110,82 ; v1(109.5,85.5) 110,85 ; v1(109.5,86.5) 110,86 ; v1(109.5,87.5) 110,87 ; v1(109.5,88.5) 110,88 ; v1(110.5,66.5) 111,67 ; v1(110.5,68.5) 111,69 ; v1(110.5,69.5) 111,70 ; v1(110.5,70.5) 111,71 ; v1(110.5,72.5) 111,73 ; v1(110.5,73.5) 111,74 ; v1(110.5,74.5) 111,75 ; v1(110.5,78.5) 111,78 ; v1(110.5,79.5) 111,79 ; v1(110.5,80.5) 111,80 ; v1(110.5,81.5) 111,81 ; v1(110.5,85.5) 111,85 ; v1(110.5,86.5) 111,86 ; v1(110.5,88.5) 111,88 ; v1(111.5,62.5) 112,63 ; v1(111.5,63.5) 112,64 ; v1(111.5,70.5) 112,71 ; v1(111.5,71.5) 112,72 ; v1(111.5,81.5) 112,81 ; v1(111.5,82.5) 112,82 ; v1(111.5,83.5) 112,83 ; v1(111.5,87.5) 112,87 ; v1(111.5,88.5) 112,88 ; v1(112.5,68.5) 113,69 ; v1(112.5,69.5) 113,70 ; v1(112.5,70.5) 113,71 ; v1(112.5,71.5) 113,72 ; v1(112.5,81.5) 113,81 ; v1(112.5,82.5) 113,82 ; v1(112.5,84.5) 113,84 ; v1(112.5,85.5) 113,85 ; v1(112.5,86.5) 113,86 ; v1(112.5,87.5) 113,87 ; v1(113.5,62.5) 114,63 ; v1(113.5,63.5) 114,64 ; v1(113.5,69.5) 114,70 ; v1(113.5,71.5) 114,72 ; v1(113.5,82.5) 114,82 ; v1(113.5,83.5) 114,83 ; v1(113.5,85.5) 114,85 ; v1(113.5,88.5) 114,88 ; v1(114.5,69.5) 115,70 ; v1(114.5,70.5) 115,71 ; v1(114.5,71.5) 115,72 ; v1(114.5,81.5) 115,81 ; v1(114.5,82.5) 115,82 ; v1(114.5,83.5) 115,83 ; v1(114.5,85.5) 115,85 ; v1(114.5,86.5) 115,86 ; v1(114.5,87.5) 115,87 ; v1(114.5,88.5) 115,88 ; 116,63 v1(116.5,62.5) ; 116,64 v1(116.5,63.5) ; 116,69 v1(116.5,68.5) ; 116,70 v1(116.5,69.5) ; 116,71 v1(116.5,70.5) ; 116,83 v1(116.5,83.5) ; 116,84 v1(116.5,84.5) ; 116,85 v1(116.5,85.5) ; 116,88 v1(116.5,88.5) ; 117,68 v1(117.5,67.5) ; 117,69 v1(117.5,68.5) ; 117,71 v1(117.5,70.5) ; 117,72 v1(117.5,71.5) ; 117,83 v1(117.5,83.5) ; 117,86 v1(117.5,86.5) ; 118,63 v1(118.5,62.5) ; 118,64 v1(118.5,63.5) ; 118,69 v1(118.5,68.5) ; 118,70 v1(118.5,69.5) ; 118,71 v1(118.5,70.5) ; 118,72 v1(118.5,71.5) ; 118,81 v1(118.5,81.5) ; 118,82 v1(118.5,82.5) ; 118,86 v1(118.5,86.5) ; 118,87 v1(118.5,87.5) ; 119,70 v1(119.5,69.5) ; 119,72 v1(119.5,71.5) ; 119,82 v1(119.5,82.5) ; 119,84 v1(119.5,84.5) ; 119,87 v1(119.5,87.5) ; 120,63 v1(120.5,62.5) ; 120,64 v1(120.5,63.5) ; 120,70 v1(120.5,69.5) ; 120,71 v1(120.5,70.5) ; 120,75 v1(120.5,74.5) ; 120,80 v1(120.5,80.5) ; 120,82 v1(120.5,82.5) ; 120,87 v1(120.5,87.5) ; 121,67 v1(121.5,66.5) ; 121,68 v1(121.5,67.5) ; 121,69 v1(121.5,68.5) ; 121,70 v1(121.5,69.5) ; 121,71 v1(121.5,70.5) ; 121,73 v1(121.5,72.5) ; 121,75 v1(121.5,74.5) ; 121,80 v1(121.5,80.5) ; 121,83 v1(121.5,83.5) ; 121,84 v1(121.5,84.5) ; 121,85 v1(121.5,85.5) ; 122,63 v1(122.5,62.5) ; 122,64 v1(122.5,63.5) ; 122,67 v1(122.5,66.5) ; 122,68 v1(122.5,67.5) ; 122,69 v1(122.5,68.5) ; 122,72 v1(122.5,71.5) ; 122,73 v1(122.5,72.5) ; 122,74 v1(122.5,73.5) ; 122,76 v1(122.5,76.5) ; 122,77 v1(122.5,77.5) ; 122,78 v1(122.5,78.5) ; 122,79 v1(122.5,79.5) ; 122,87 v1(122.5,87.5) ; 122,88 v1(122.5,88.5) ; 123,69 v1(123.5,68.5) ; 123,74 v1(123.5,73.5) ; 123,75 v1(123.5,74.5) ; 123,79 v1(123.5,79.5) ; 123,81 v1(123.5,81.5) ; 123,84 v1(123.5,84.5) ; 123,86 v1(123.5,86.5) ; 123,87 v1(123.5,87.5) ; 124,63 v1(124.5,62.5) ; 124,64 v1(124.5,63.5) ; 124,68 v1(124.5,67.5) ; 124,69 v1(124.5,68.5) ; 124,72 v1(124.5,71.5) ; 124,73 v1(124.5,72.5) ; 124,74 v1(124.5,73.5) ; 124,78 v1(124.5,78.5) ; 124,79 v1(124.5,79.5) ; 124,80 v1(124.5,80.5) ; 124,87 v1(124.5,87.5) ; 125,65 v1(125.5,64.5) ; 125,67 v1(125.5,66.5) ; 125,70 v1(125.5,69.5) ; 125,72 v1(125.5,71.5) ; 125,73 v1(125.5,72.5) ; 125,78 v1(125.5,78.5) ; 125,80 v1(125.5,80.5) ; 125,82 v1(125.5,82.5) ; 125,83 v1(125.5,83.5) ; 125,85 v1(125.5,85.5) ; 125,86 v1(125.5,86.5) ; 125,87 v1(125.5,87.5) ; 126,63 v1(126.5,62.5) ; 126,64 v1(126.5,63.5) ; 126,66 v1(126.5,65.5) ; 126,67 v1(126.5,66.5) ; 126,68 v1(126.5,67.5) ; 126,70 v1(126.5,69.5) ; 126,78 v1(126.5,78.5) ; 126,79 v1(126.5,79.5) ; 126,80 v1(126.5,80.5) ; 126,81 v1(126.5,81.5) ; 126,84 v1(126.5,84.5) ; 126,85 v1(126.5,85.5) ; 126,86 v1(126.5,86.5) ; 127,66 v1(127.5,65.5) ; 127,67 v1(127.5,66.5) ; 127,68 v1(127.5,67.5) ; 127,72 v1(127.5,71.5) ; 127,78 v1(127.5,78.5) ; 127,79 v1(127.5,79.5) ; 127,81 v1(127.5,81.5) ; 127,82 v1(127.5,82.5) ; 127,83 v1(127.5,83.5) ; 127,84 v1(127.5,84.5) ; 127,87 v1(127.5,87.5) ; 128,64 v1(128.5,63.5) ; 128,65 v1(128.5,64.5) ; 128,66 v1(128.5,65.5) ; 128,67 v1(128.5,66.5) ; 128,81 v1(128.5,81.5) ; 128,82 v1(128.5,82.5) ; 128,84 v1(128.5,84.5) ; 128,86 v1(128.5,86.5) ; 128,87 v1(128.5,87.5) ; 129,62 v1(129.5,61.5) ; 129,63 v1(129.5,62.5) ; 129,65 v1(129.5,64.5) ; 130,63 v1(130.5,62.5)
  Bottom Layer w0.125: v1@122.45,78.45 v1(122.5,78.5)

## Polygon pours and split planes (outlines as drawn)
no net on Ground_1 (split plane): 163.49,26.51 35.211,26.51 34.51,27.211 34.51,125.49 163.49,125.49
no net on Ground_2 (split plane): 163.49,26.51 35.211,26.51 34.51,27.211 34.51,125.49 163.49,125.49
no net on Ground_3 (split plane): 163.49,26.51 35.211,26.51 34.51,27.211 34.51,125.49 163.49,125.49

## Keep-outs
Keep-Out Layer:
  lines w0.254: 35,32 35,120 40,120 40,125 158,125 158,120 163,120 163,32 158,32 158,27 40,27 40,32 35,32

## Text inside footprints (layer, text, board x,y; h text height)
C143: Top Overlay "+" at 566.528,163.247 h0.94 r90
C152: Top Overlay "+" at 488.528,163.247 h0.94 r90
X4: Top Overlay "usb_3" at 654.5,180.5 h1.5